# Altium PCB EDA-03517-V2-0_pcb.pcbdoc (part 5 of 5)
Units mm, origin at the board's own origin, x right, y up, seen from the top; angles counter-clockwise.
Board outline 220 x 264 mm, 8 copper layers (Top Layer, L2, L3, L4, L5, L6, L7, Bottom Layer), stack 2.18 mm thick; 439 components, 290 nets, 1011 pads, 273 vias.
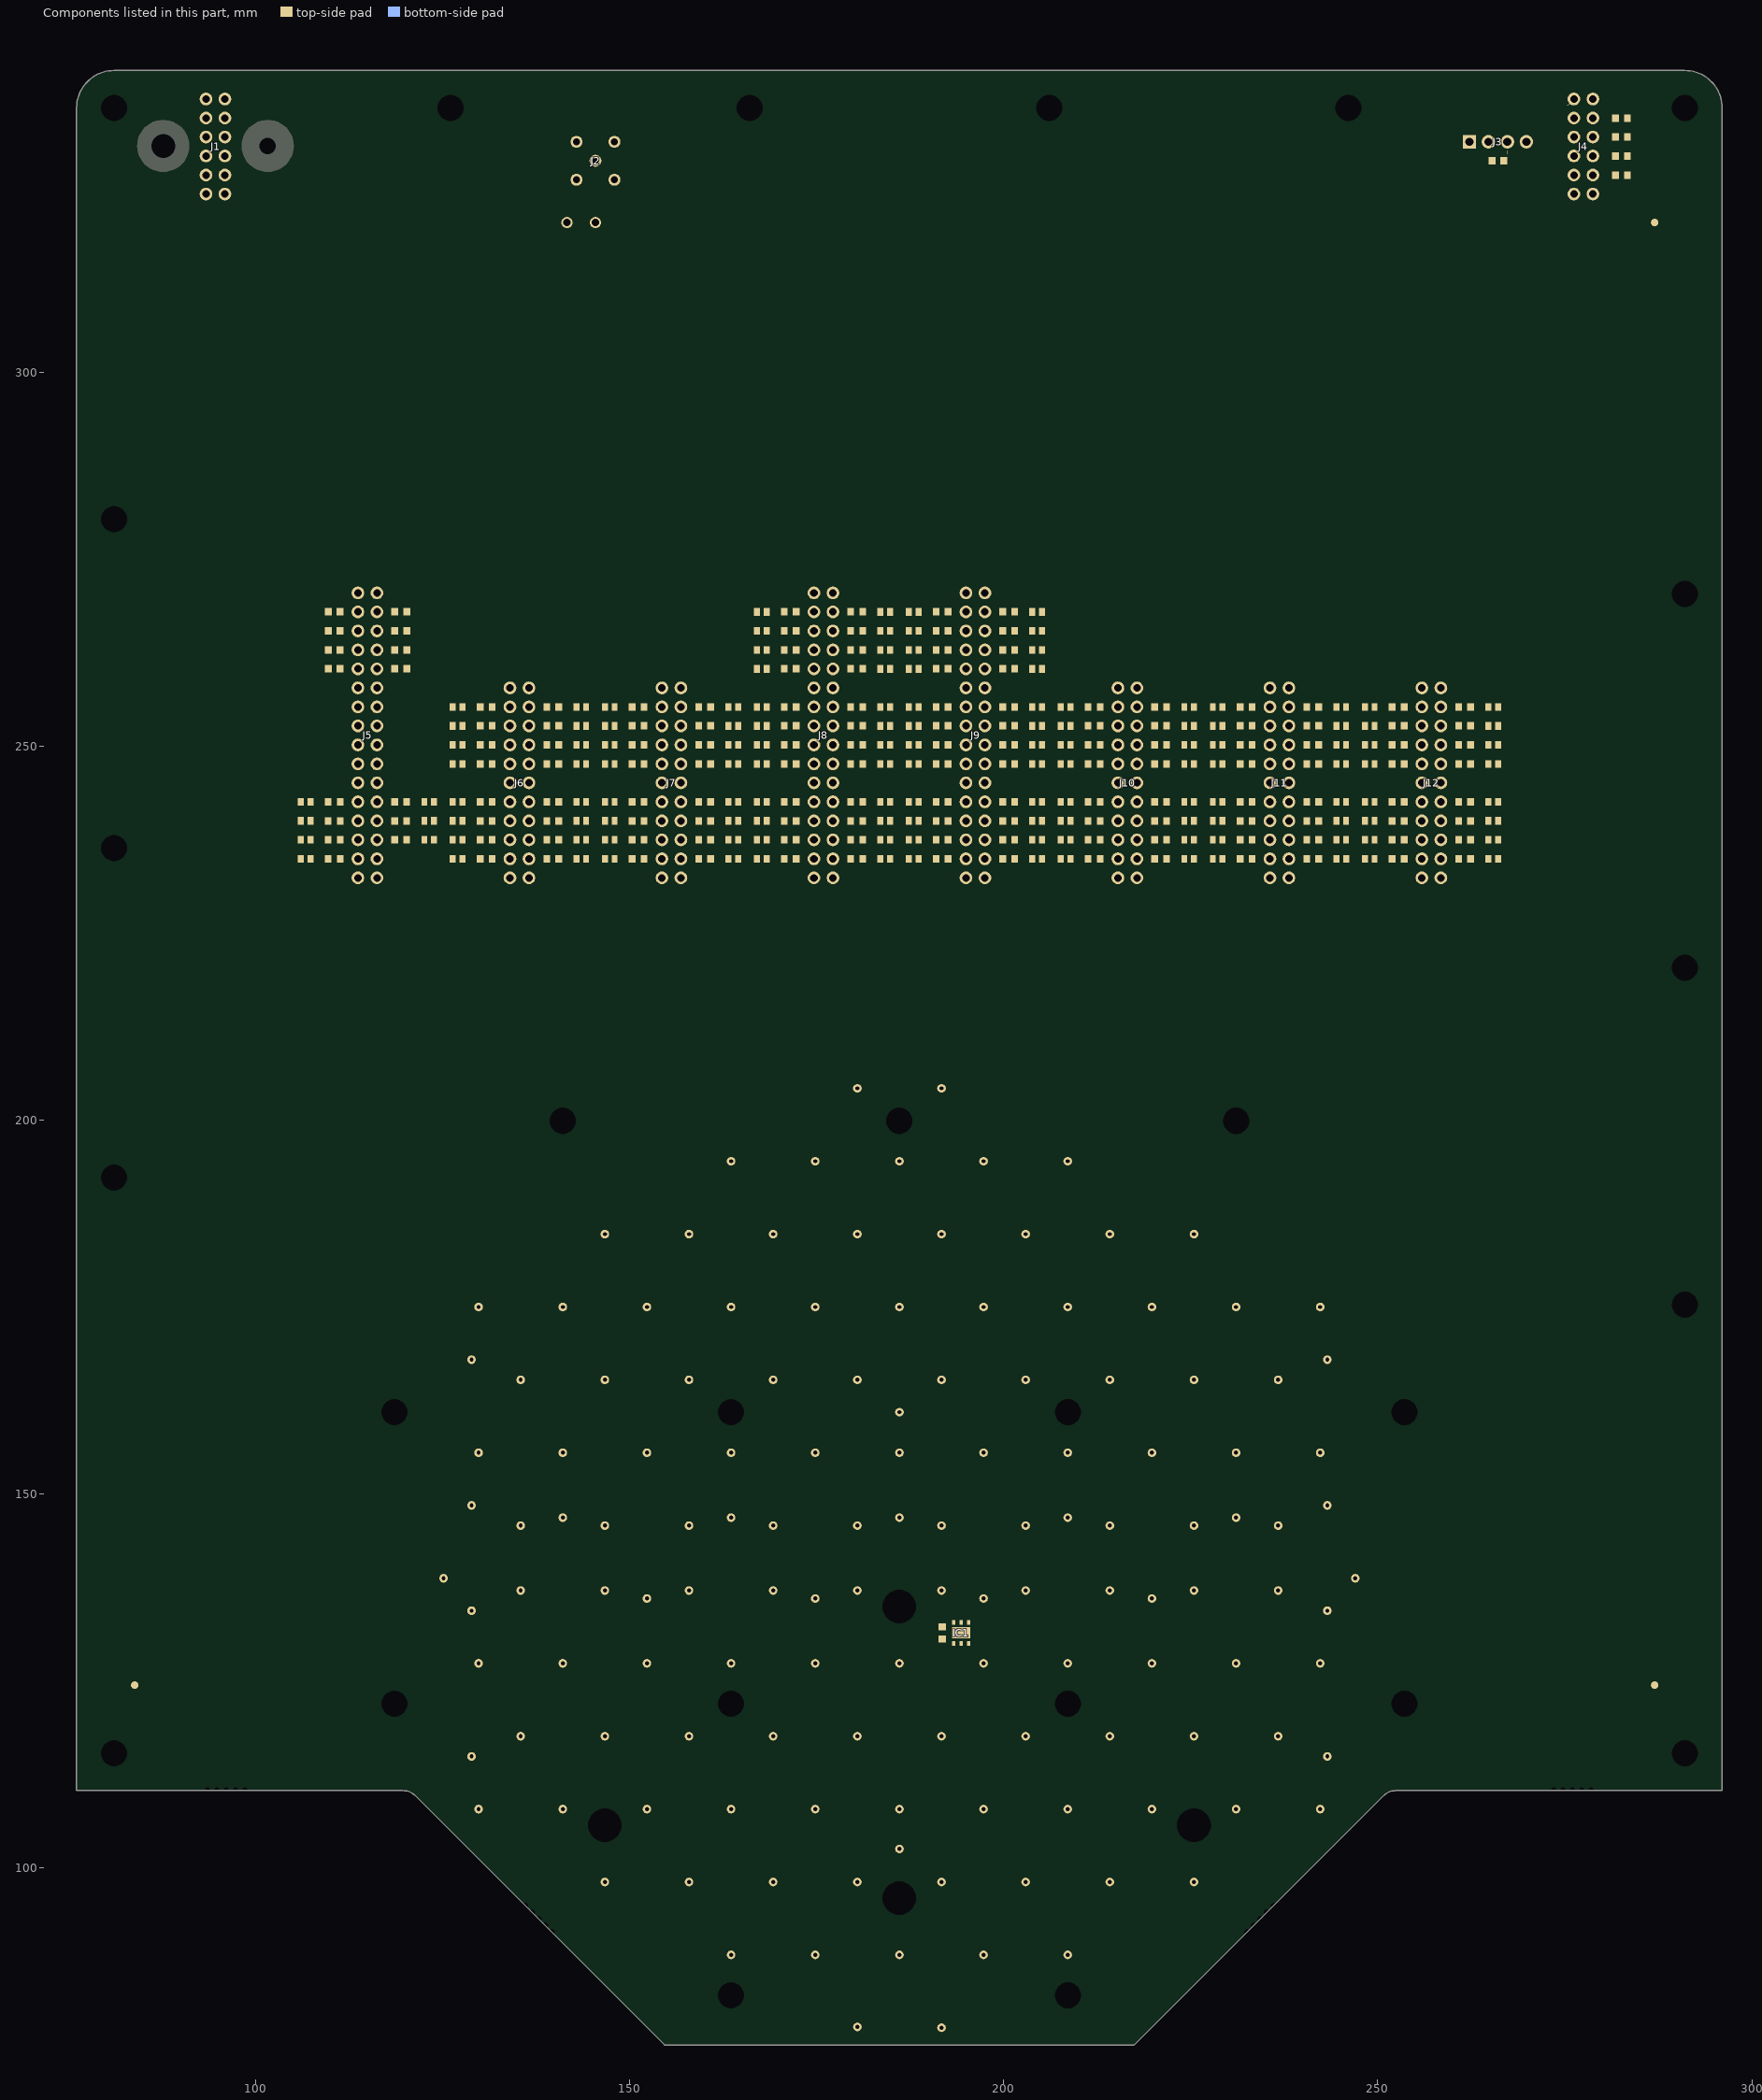
[diagram p11: the components of this part, seen from the top]

## Silkscreen, mask and mechanical layers (free items; w line width, h text height) (continued)
Mechanical 1:
  lines w0.8: 99.055,107.96 cw(c99.055,109.16) 99.055,110.36 119.661,110.36 ; 99.06,107.96 119.661,107.96 133.988,93.633 ccw(c134.837,94.481) 135.685,95.33 121.358,109.657 ; 119.671,110.37 cw(c119.671,107.97) 121.368,109.667 ; 250.752,109.657 236.434,95.339 ccw(c237.282,94.49) 238.131,93.641 252.449,107.96 273.055,107.96 ccw(c273.055,109.16) 273.055,110.36 252.449,110.36 ; 250.762,109.667 cw(c252.459,107.97) 252.459,110.37 ; 76.055,76.36 151.261,76.36 138.231,89.39 cw(c139.079,90.239) 139.928,91.087 154.655,76.36 217.455,76.36 232.191,91.096 cw(c233.039,90.247) 233.888,89.399 220.849,76.36 296.055,76.36 296.055,107.96 279.055,107.96 cw(c279.055,109.16) 279.055,110.36 296.055,110.36 296.055,335.36 ccw(c291.055,335.36) 291.055,340.36 81.055,340.36 ccw(c81.055,335.36) 76.055,335.36 76.055,110.36 93.055,110.36 cw(c93.055,109.16) 93.055,107.96 76.055,107.96 76.055,76.36
Mechanical 2:
  text "Components" at 200.66,45.72 h1.91
  text ".Component_Count" at 218.44,45.72 h1.91
  text "Pins" at 200.66,43.18 h1.91
  text ".Pad_Count" at 218.44,43.18 h1.91
  text "Vias" at 200.66,40.64 h1.91
  text ".Via_Count" at 218.44,40.64 h1.91
  text "Holes" at 200.66,38.1 h1.91
  text ".Hole_Count" at 218.44,38.1 h1.91
  text "Nets" at 200.66,35.56 h1.91
  text ".Net_Count" at 218.44,35.56 h1.91
Mechanical 3:
  drawing of 3981 lines, arcs and shapes, not listed
  text "1" at 180.041,205.031 h1
  text "2" at 191.293,205.031 h1
  text "3" at 163.163,195.286 h1
  text "4" at 174.415,195.286 h1
  text "5" at 185.667,195.286 h1
  text "6" at 196.919,195.286 h1
  text "7" at 208.171,195.286 h1
  text "8" at 146.285,185.542 h1
  text "9" at 157.537,185.542 h1
  text "10" at 168.4,185.542 h1
  text "11" at 179.652,185.542 h1
  text "12" at 190.904,185.542 h1
  text "13" at 202.156,185.542 h1
  text "14" at 213.408,185.542 h1
  text "15" at 224.66,185.542 h1
  text "16" at 129.018,175.797 h1
  text "17" at 140.27,175.797 h1
  text "18" at 151.522,175.797 h1
  text "19" at 162.774,175.797 h1
  text "20" at 174.026,175.797 h1
  text "21" at 185.278,175.797 h1
  text "22" at 196.53,175.797 h1
  text "23" at 207.782,175.797 h1
  text "24" at 219.034,175.797 h1
  text "25" at 230.286,175.797 h1
  text "26" at 241.538,175.797 h1
  text "27" at 128.075,168.756 h1
  text "38" at 242.481,168.756 h1
  text "28" at 134.644,166.053 h1
  text "29" at 145.896,166.053 h1
  text "30" at 157.148,166.053 h1
  text "31" at 168.4,166.053 h1
  text "32" at 179.652,166.053 h1
  text "33" at 190.904,166.053 h1
  text "34" at 202.156,166.053 h1
  text "35" at 213.408,166.053 h1
  text "36" at 224.66,166.053 h1
  text "37" at 235.912,166.053 h1
  text "39" at 185.278,161.715 h1
  text "40" at 129.018,156.308 h1
  text "41" at 140.27,156.308 h1
  text "42" at 151.522,156.308 h1
  text "43" at 162.774,156.308 h1
  text "44" at 174.026,156.308 h1
  text "45" at 185.278,156.308 h1
  text "46" at 196.53,156.308 h1
  text "47" at 207.782,156.308 h1
  text "48" at 219.034,156.308 h1
  text "49" at 230.286,156.308 h1
  text "50" at 241.538,156.308 h1
  text "51" at 128.075,149.267 h1
  text "62" at 242.481,149.267 h1
  text "64" at 140.27,147.634 h1
  text "66" at 162.774,147.634 h1
  text "68" at 185.278,147.634 h1
  text "70" at 207.782,147.634 h1
  text "72" at 230.286,147.634 h1
  text "52" at 134.644,146.564 h1
  text "53" at 145.896,146.564 h1
  text "54" at 157.148,146.564 h1
  text "55" at 168.4,146.564 h1
  text "56" at 179.652,146.564 h1
  text "57" at 190.904,146.564 h1
  text "58" at 202.156,146.564 h1
  text "59" at 213.408,146.564 h1
  text "60" at 224.66,146.564 h1
  text "61" at 235.912,146.564 h1
  text "63" at 124.335,139.523 h1
  text "73" at 246.221,139.523 h1
  text "75" at 134.644,137.889 h1
  text "76" at 145.896,137.889 h1
  text "77" at 157.148,137.889 h1
  text "78" at 168.4,137.889 h1
  text "79" at 179.652,137.889 h1
  text "80" at 190.904,137.889 h1
  text "81" at 202.156,137.889 h1
  text "82" at 213.408,137.889 h1
  text "83" at 224.66,137.889 h1
  text "84" at 235.912,137.889 h1
  text "65" at 151.522,136.819 h1
  text "67" at 174.026,136.819 h1
  text "69" at 196.53,136.819 h1
  text "71" at 219.034,136.819 h1
  text "1" at 185.667,135.73 h1
  text "74" at 128.075,135.185 h1
  text "85" at 242.481,135.185 h1
  text "86" at 129.018,128.145 h1
  text "87" at 140.27,128.145 h1
  text "88" at 151.522,128.145 h1
  text "89" at 162.774,128.145 h1
  text "90" at 174.026,128.145 h1
  text "91" at 185.278,128.145 h1
  text "92" at 196.53,128.145 h1
  text "93" at 207.782,128.145 h1
  text "94" at 219.034,128.145 h1
  text "95" at 230.286,128.145 h1
  text "96" at 241.538,128.145 h1
  text "98" at 134.644,118.4 h1
  text "99" at 145.896,118.4 h1
  text "100" at 156.76,118.4 h1
  text "101" at 168.012,118.4 h1
  text "102" at 179.264,118.4 h1
  text "103" at 190.516,118.4 h1
  text "104" at 201.768,118.4 h1
  text "105" at 213.02,118.4 h1
  text "106" at 224.272,118.4 h1
  text "107" at 235.524,118.4 h1
  text "97" at 128.075,115.696 h1
  text "108" at 242.093,115.696 h1
  text "109" at 128.63,108.656 h1
  text "110" at 139.882,108.656 h1
  text "111" at 151.134,108.656 h1
  text "112" at 162.386,108.656 h1
  text "113" at 173.638,108.656 h1
  text "114" at 184.89,108.656 h1
  text "115" at 196.142,108.656 h1
  text "116" at 207.394,108.656 h1
  text "117" at 218.646,108.656 h1
  text "118" at 229.898,108.656 h1
  text "119" at 241.15,108.656 h1
  text "4" at 146.285,106.496 h1
  text "3" at 225.049,106.496 h1
  text "120" at 184.89,103.248 h1
  text "121" at 145.508,98.911 h1
  text "122" at 156.76,98.911 h1
  text "123" at 168.012,98.911 h1
  text "124" at 179.264,98.911 h1
  text "125" at 190.516,98.911 h1
  text "126" at 201.768,98.911 h1
  text "127" at 213.02,98.911 h1
  text "128" at 224.272,98.911 h1
  text "2" at 185.667,96.752 h1
  text "129" at 162.386,89.167 h1
  text "130" at 173.638,89.167 h1
  text "131" at 184.89,89.167 h1
  text "132" at 196.142,89.167 h1
  text "133" at 207.394,89.167 h1
  text "134" at 179.264,79.422 h1
  text "135" at 190.516,79.422 h1
Mechanical 4:
  drawing of 882 lines, arcs and shapes, not listed
Corners:
  lines w0.2: 71.055,76.36 76.055,76.36 76.055,71.36 ; 71.055,340.36 81.055,340.36 ; 76.055,335.36 76.055,345.36 ; 291.055,340.36 301.055,340.36 ; 296.055,71.36 296.055,76.36 301.055,76.36 ; 296.055,335.36 296.055,345.36
  lines w0.254: 146.05,35.56 146.05,40.64 ; 151.13,35.56 151.13,40.64 ; 156.21,35.56 156.21,40.64 ; 161.29,35.56 161.29,40.64 ; 166.37,35.56 166.37,40.64 ; 171.45,35.56 171.45,40.64 ; 176.53,35.56 176.53,40.64 ; 140.97,35.56 140.97,40.64 181.61,40.64 181.61,35.56 140.97,35.56
Title Block:
  circle w0.305: c80.645,48.26 r3.81
  lines w0.254: 78.74,46.998 ccw(c83.185,46.99) 79.453,49.404 ; 87.63,46.99 87.63,51.435 ; 90.17,43.815 132.08,43.815 ; 90.17,46.99 132.08,46.99 ; 90.17,50.165 132.08,50.165 ; 104.14,40.64 104.14,53.34 ; 76.2,40.64 76.2,53.34 88.9,53.34 88.9,40.64 76.2,40.64 ; 90.17,40.64 90.17,53.34 132.08,53.34 132.08,40.64 90.17,40.64
  lines w0.305: 77.089,46.888 78.105,43.815 ; 80.137,40.767 83.21,45.441 ; 80.645,52.07 88.265,52.705 ; 84.379,49.022 86.995,40.64
  text "Number" at 91.44,50.8 h1.91
  text "EDA-03517-V2" at 105.41,50.8 h1.91
  text "Drawn By" at 91.44,47.625 h1.91
  text "JMW" at 105.41,47.625 h1.91
  text "CERN" at 77.47,47.371 h2.54
  text "DATE" at 91.44,44.45 h1.91
  text "10-11-2016" at 105.41,44.45 h1.91
  text "MOD.V2" at 91.44,41.275 h1.91
  text "JMW 08-02-2019" at 105.41,41.275 h1.91
  text "Print Date" at 91.44,38.1 h1.27
  text ".Print_Date" at 106.68,38.1 h1.27
  text ".Print_Time" at 119.38,38.1 h1.27
  text ".Print_Scale" at 91.44,35.56 h1.27
Notvisible:
  drawing of 177 lines, arcs and shapes, not listed
  text "TE/MPE" at 187.007,314.96 h1
  text "CERN" at 178.308,312.801 h1.25
  text "SK/JMW" at 186.69,309.245 h1
  text "Misc1 glued  (ISOTAC) on Bottom Side" at 116.84,213.36 h1.5
  text "see Detail" at 116.84,210.82 h1.5
  text "Assembly Detail with EDA-03517-Vx-0_misc1" at 251.46,54.61 h1.5
  text "D3.5mm" at 260.35,49.53 h1.5
  text "D0.5mm" at 283.845,49.53 h1.5
  text "Top" at 241.3,47.625 h1
  text "PCB" at 300.99,45.72 h1.5
  text "2.2mm" at 247.015,45.402 h1.5
  text "Bot" at 241.3,44.45 h1
  text "Laminating Adhesive" at 300.99,42.545 h1.5
  text "Top" at 241.3,40.005 h1
  text "(ISOTAC or eq.)" at 307.34,40.005 h1.5
  text "2.4mm" at 247.015,38.735 h1.5
  text "Misc1" at 300.99,37.465 h1.5
  text "Bot" at 241.3,36.83 h1
  text "D1.2mm" at 283.845,33.655 h1.5
  text "0.05" at 273.368,32.861 h1.5
  text "(Not to Scale)" at 241.3,31.75 h1
  text "Holes must be concentric to +/-0.05mm" at 272.415,29.21 h1.5
Panelisation:
  lines w0.2: 76.055,92.36 136.958,92.36 136.958,76.36 ; 96.055,107.96 96.055,110.36 ; 136.109,91.511 137.806,93.209 ; 234.312,93.217 236.009,91.52 ; 235.152,76.36 235.152,92.36 ; 276.055,107.96 276.055,110.36
  text "Not Plated Holes" at 99.695,115.57 h1
Panelisation2:
  lines w2.4: 76.055,109.16 93.055,109.16 ; 99.055,109.16 119.661,109.16 cw(c119.661,107.96) 120.509,108.809 134.837,94.481 ; 139.079,90.239 152.958,76.36 ; 219.152,76.36 233.039,90.247 ; 237.282,94.49 251.601,108.809 cw(c252.449,107.96) 252.449,109.16 273.055,109.16 ; 279.055,109.16 296.055,109.16
Drill Drawing:
  circle w0.25: c170.218,310.398 r0.833
  lines w0.25: 169.385,287.065 169.385,287.482 169.801,287.898 169.385,288.315 169.385,288.732 169.801,288.732 170.218,288.315 170.635,288.732 171.051,288.732 171.051,288.315 170.635,287.898 171.051,287.482 171.051,287.065 170.635,287.065 170.218,287.482 169.801,287.065 169.385,287.065 ; 169.385,290.815 171.051,290.815 171.051,292.482 169.385,292.482 169.385,290.815 ; 169.385,295.398 170.218,294.565 171.051,295.398 170.218,296.232 169.385,295.398 ; 169.385,299.982 171.051,299.982 170.218,298.315 169.385,299.982 ; 169.385,302.065 170.218,302.482 171.051,302.065 170.635,302.898 171.051,303.732 170.218,303.315 169.385,303.732 169.801,302.898 169.385,302.065 ; 169.385,306.232 169.801,306.232 169.801,305.815 170.635,305.815 170.635,306.232 171.051,306.232 171.051,307.065 170.635,307.065 170.635,307.482 169.801,307.482 169.801,307.065 169.385,307.065 169.385,306.232 ; 169.385,314.982 171.051,314.982 170.218,313.315 169.385,314.982 ; 169.385,317.065 170.218,317.482 171.051,317.065 170.635,317.898 171.051,318.732 170.218,318.315 169.385,318.732 169.801,317.898 169.385,317.065 ; 169.385,321.232 169.801,321.232 170.218,320.815 170.635,321.232 171.051,321.232 170.635,321.648 171.051,322.065 170.635,322.065 170.218,322.482 169.801,322.065 169.385,322.065 169.801,321.648 169.385,321.232 ; 169.718,299.648 170.718,299.648 170.218,298.648 169.718,299.648 ; 169.718,302.398 170.218,302.648 170.718,302.398 170.468,302.898 170.718,303.398 170.218,303.148 169.718,303.398 169.968,302.898 169.718,302.398
  lines w0.5: 167.89,285.94 261.024,285.94 ; 167.89,323.44 261.024,323.44 ; 180.455,282.19 180.455,327.19 ; 195.031,282.19 195.031,327.19 ; 220.225,282.19 220.225,327.19 ; 230.147,282.19 230.147,327.19 ; 242.427,282.19 242.427,327.19 ; 167.89,282.19 261.024,282.19 261.024,327.19 167.89,327.19 167.89,282.19
  text "Symbol" at 170.14,324.565 h1.8
  text "Hit Count" at 181.58,324.565 h1.8
  text "Finished Hole Size" at 196.156,324.565 h1.8
  text "Plated" at 221.35,324.565 h1.8
  text "Via/Pad" at 231.272,324.565 h1.8
  text "New column" at 243.552,324.565 h1.8
  text "273" at 181.58,320.815 h1.5
  text "0.50mm (19.69mil)" at 196.156,320.815 h1.5
  text "PTH" at 221.35,320.815 h1.5
  text "Via" at 231.272,320.815 h1.5
  text "135" at 181.58,317.065 h1.5
  text "0.55mm (21.65mil)" at 196.156,317.065 h1.5
  text "PTH" at 221.35,317.065 h1.5
  text "Pad" at 231.272,317.065 h1.5
  text "5" at 181.58,313.315 h1.5
  text "0.90mm (35.43mil)" at 196.156,313.315 h1.5
  text "PTH" at 221.35,313.315 h1.5
  text "Pad" at 231.272,313.315 h1.5
  text "232" at 181.58,309.565 h1.5
  text "1.00mm (39.37mil)" at 196.156,309.565 h1.5
  text "PTH" at 221.35,309.565 h1.5
  text "Pad" at 231.272,309.565 h1.5
  text "4" at 181.58,305.815 h1.5
  text "1.10mm (43.31mil)" at 196.156,305.815 h1.5
  text "PTH" at 221.35,305.815 h1.5
  text "Pad" at 231.272,305.815 h1.5
  text "1" at 181.58,302.065 h1.5
  text "2.20mm (86.61mil)" at 196.156,302.065 h1.5
  text "PTH" at 221.35,302.065 h1.5
  text "Pad" at 231.272,302.065 h1.5
  text "1" at 181.58,298.315 h1.5
  text "3.20mm (125.98mil)" at 196.156,298.315 h1.5
  text "PTH" at 221.35,298.315 h1.5
  text "Pad" at 231.272,298.315 h1.5
  text "20" at 181.58,294.565 h1.5
  text "0.80mm (31.50mil)" at 196.156,294.565 h1.5
  text "NPTH" at 221.35,294.565 h1.5
  text "Pad" at 231.272,294.565 h1.5
  text "Panel Holes" at 243.552,294.565 h1.5
  text "27" at 181.58,290.815 h1.5
  text "3.50mm (137.80mil)" at 196.156,290.815 h1.5
  text "NPTH" at 221.35,290.815 h1.5
  text "Pad" at 231.272,290.815 h1.5
  text "4" at 181.58,287.065 h1.5
  text "4.50mm (177.17mil)" at 196.156,287.065 h1.5
  text "NPTH" at 221.35,287.065 h1.5
  text "Pad" at 231.272,287.065 h1.5
  text "702 Total" at 181.58,283.315 h1.5
  text "General tolerances +/-0.05mm unless otherwise stated" at 170.18,279.4 h1.5
  text "r=2.4mm" at 123.19,110.49 h1.5
  text "45deg" at 139.065,78.74 h1.5

## Dimensions
76.055,76.36 to 96.055,107.96 on Panelisation
81.055,340.36 to 81.055,335.36 on Drill Drawing
81.055,335.36 to 76.055,335.36 on Drill Drawing
97.305,110.36 to 100.701,113.756 on Panelisation
93.055,107.96 to 99.06,107.96 on Panelisation
94.805,110.36 to 93.555,110.36 on Panelisation
291.055,335.36 to 298.731,343.036 on Drill Drawing
296.055,76.36 to 291.055,340.36 on Mechanical 2
76.055,335.36 to 296.055,335.36 on Mechanical 2
76.055,76.36 to 76.055,107.96 on Panelisation

## Text inside footprints (layer, text, board x,y; h text height)
J1: Mechanical 14 "1" at 96.383,321.603 h1 r90
J4: Mechanical 14 "1" at 279.263,321.603 h1 r90
J5: Mechanical 14 "1" at 116.703,230.163 h1 r90; Top Overlay "1" at 116.703,230.163 h1 r90
J6: Mechanical 14 "1" at 137.023,230.163 h1 r90; Top Overlay "1" at 137.023,230.163 h1 r90
J7: Mechanical 14 "1" at 157.343,230.163 h1 r90; Top Overlay "1" at 157.343,230.163 h1 r90
J8: Mechanical 14 "1" at 177.663,230.163 h1 r90; Top Overlay "1" at 177.663,230.163 h1 r90
J9: Mechanical 14 "1" at 197.983,230.163 h1 r90; Top Overlay "1" at 197.983,230.163 h1 r90
J10: Mechanical 14 "1" at 218.303,230.163 h1 r90; Top Overlay "1" at 218.303,230.163 h1 r90
J11: Mechanical 14 "1" at 238.623,230.163 h1 r90; Top Overlay "1" at 238.623,230.163 h1 r90
J12: Mechanical 14 "1" at 258.943,230.163 h1 r90; Top Overlay "1" at 258.943,230.163 h1 r90